# Altium PCB JTAG批量下载板-V1.6-ASCII.PcbDoc (part 5 of 14) (continued)
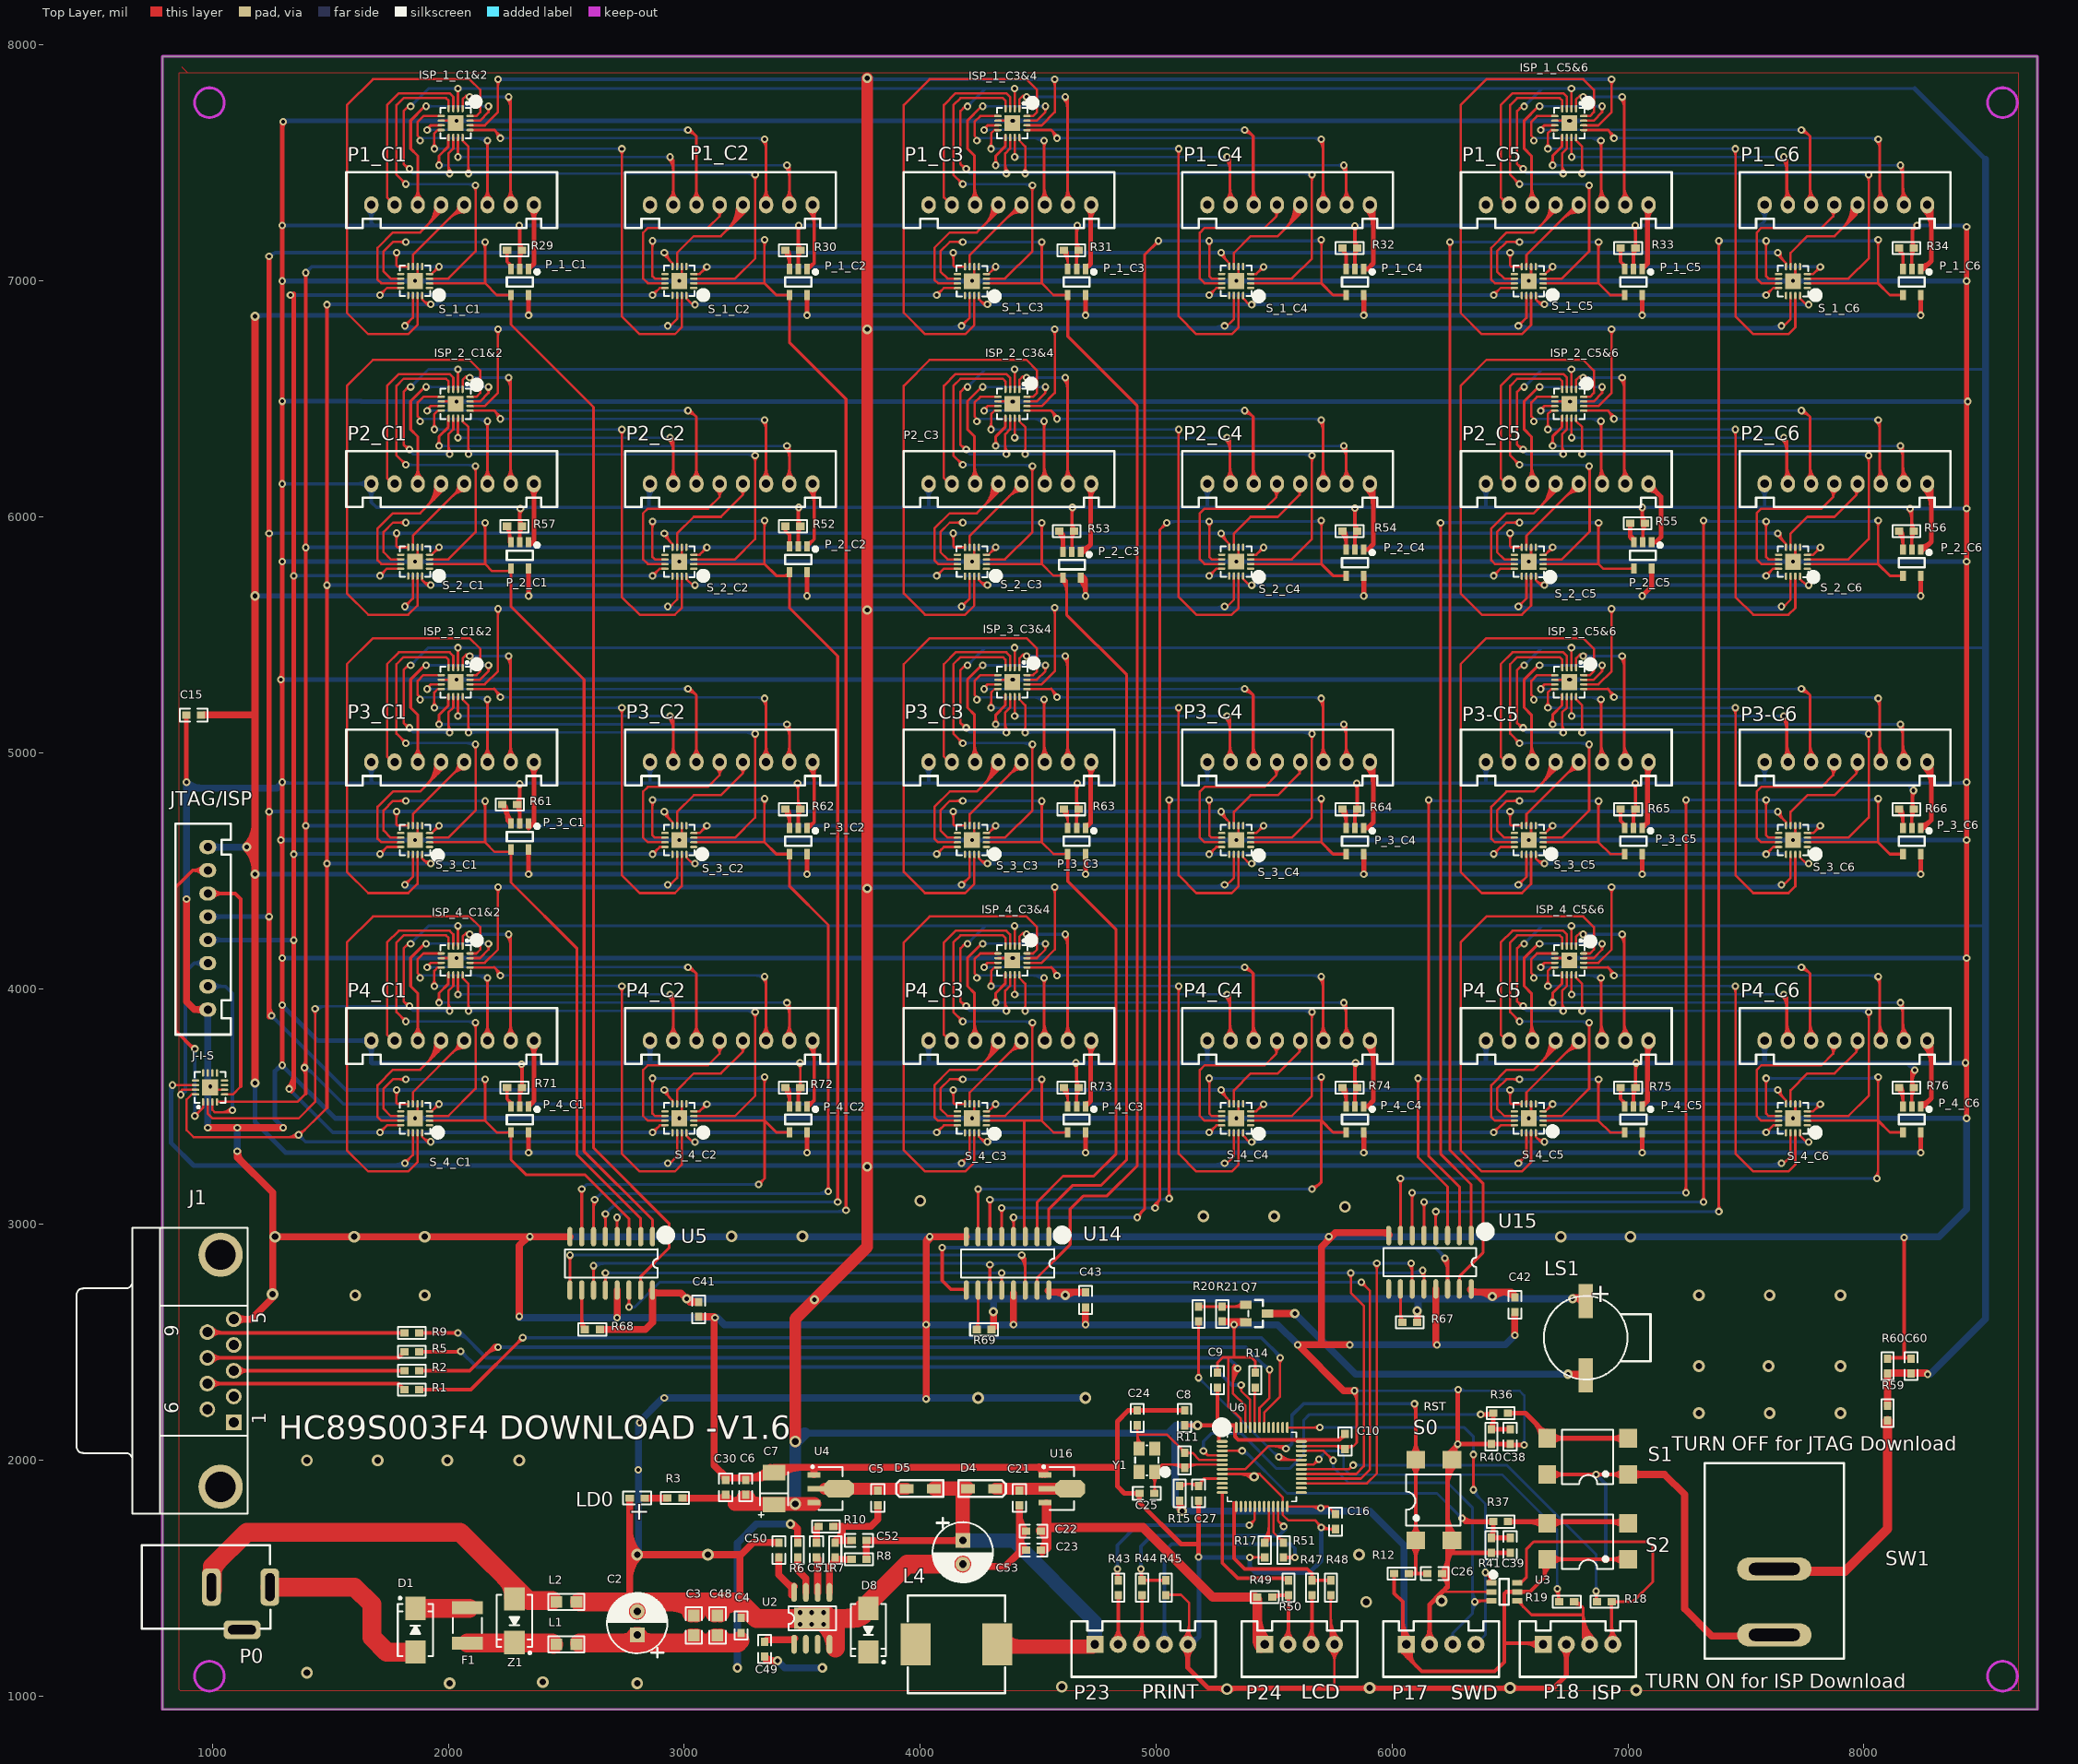
[diagram p0: Top Layer view]
## Nets (pads, with @x,y where several pads share a name; then routed paths per layer and width w, separated by ;. In a path a pad name is that pad's centre, name@x,y a point inside that pad or via, vN(x,y) a via of type N, cw(c..) or ccw(c..) an arc to the next point about the centre after c; other vN are vias at no path point) (continued)
  Top Layer w12: C9.2@5260,2371.5 5260,2415 5281.5,2436.5 5403.5,2436.5 5420,2420 R14.1@5420,2371.5 ; 5330,2436.5 v1@5330,2588.5 ; Q7.2@5376.69,2588.5 Q7.2@5380,2585.2 ; C9.2@5253.11,2380.36 ccw(c5236.47,2397) 5260,2397 ; C9.2@5253.11,2380.36 ccw(c5236.47,2397) 5260,2397 ; C9.2@5253.11,2380.36 ccw(c5236.47,2397) 5260,2397 ; C9.2@5253.11,2380.36 ccw(c5236.47,2397) 5260,2397 ; C9.2@5253.11,2380.36 ccw(c5236.47,2397) 5260,2397 ; 5260,2397 ccw(c5283.53,2397) C9.2@5266.89,2380.36 ; 5260,2397 ccw(c5283.53,2397) C9.2@5266.89,2380.36 ; 5260,2397 ccw(c5283.53,2397) C9.2@5266.89,2380.36 ; 5260,2397 ccw(c5283.53,2397) C9.2@5266.89,2380.36 ; 5260,2397 ccw(c5283.53,2397) C9.2@5266.89,2380.36 ; v1@5322.93,2567.93 cw(c5305.86,2550.86) 5330,2550.86 ; v1@5322.93,2567.93 cw(c5305.86,2550.86) 5330,2550.86 ; v1@5322.93,2567.93 cw(c5305.86,2550.86) 5330,2550.86 ; v1@5322.93,2567.93 cw(c5305.86,2550.86) 5330,2550.86 ; v1@5322.93,2567.93 cw(c5305.86,2550.86) 5330,2550.86 ; 5330,2550.86 cw(c5354.14,2550.86) v1@5337.07,2567.93 ; 5330,2550.86 cw(c5354.14,2550.86) v1@5337.07,2567.93 ; 5330,2550.86 cw(c5354.14,2550.86) v1@5337.07,2567.93 ; 5330,2550.86 cw(c5354.14,2550.86) v1@5337.07,2567.93 ; 5330,2550.86 cw(c5354.14,2550.86) v1@5337.07,2567.93 ; R14.1@5413.11,2380.36 ccw(c5396.47,2397) 5420,2397 ; R14.1@5413.11,2380.36 ccw(c5396.47,2397) 5420,2397 ; R14.1@5413.11,2380.36 ccw(c5396.47,2397) 5420,2397 ; R14.1@5413.11,2380.36 ccw(c5396.47,2397) 5420,2397 ; R14.1@5413.11,2380.36 ccw(c5396.47,2397) 5420,2397 ; 5420,2397 ccw(c5443.53,2397) R14.1@5426.89,2380.36 ; 5420,2397 ccw(c5443.53,2397) R14.1@5426.89,2380.36 ; 5420,2397 ccw(c5443.53,2397) R14.1@5426.89,2380.36 ; 5420,2397 ccw(c5443.53,2397) R14.1@5426.89,2380.36 ; 5420,2397 ccw(c5443.53,2397) R14.1@5426.89,2380.36
  Top Layer w15: R61.2@2291.5,4780 R61.2@2302.6,4768.9 ; P_4_C1.2@2302.6,3500.55 2302.6,3571.65 R71.2@2311.5,3580.55 ; P_3_C1.2@2302.6,4685 v1(2302.6,4867.6) ; P_2_C1.2@2302.6,5891.97 v1@2302.6,6027.4 ; R57.2@2302.6,5951.1 R57.2@2311.5,5960 ; P_1_C1.2@2302.6,7050.55 v1@2302.6,7232.4 ; R29.2@2302.6,7121.65 R29.2@2311.5,7130.55 ; R71.2@2311.5,3580 v1@2311.5,3678.5 ; P_4_C2.2@3482.6,3500.55 R72.2@3482.6,3571.65 ; P_3_C2.2@3482.6,4680.55 R62.2@3482.6,4751.65 ; P_2_C2.2@3482.6,5870 v1@3482.6,6037.6 ; P_1_C2.2@3482.6,7050.55 v1@3482.6,7232.6 ; P_2_C3.2@4642.6,5851.97 v1@4642.6,6037.6 ; P_4_C3.2@4662.6,3500.55 v1@4662.6,3682.4 ; P_3_C3.2@4662.6,4680.55 v1@4662.6,4867.6 ; P_1_C3.2@4662.6,7050.55 v1@4662.6,7232.6 ; R31.2@4662.6,7121.65 R31.2@4671.5,7130.55 ; P_4_C4.2@5842.6,3500.55 v1@5842.6,3682.6 ; P_3_C4.2@5842.6,4680.55 R64.2@5842.6,4761.1 ; P_2_C4.2@5842.6,5860.55 v1(5842.6,6037.6) ; P_1_C4.2@5842.6,7050.55 v1(5842.6,7232.4) ; R64.2@5851.5,4760 v1@5851.5,4868.5 ; P_4_C5.2@7022.6,3500.55 7022.6,3571.65 R75.2@7031.5,3580.55 ; P_3_C5.2@7022.6,4680.55 7022.6,4751.65 7031.5,4760.55 v1@7031.5,4868.5 ; P_1_C5.2@7022.6,7050.55 7022.6,7121.65 R33.2@7031.5,7130.55 ; R75.2@7031.5,3580 v1@7031.5,3681.5 ; R33.2@7031.5,7140 v1@7031.5,7233.5 ; R55.2@7060,5965 v1(7060,6040) ; P_2_C5.2@7062.6,5891.97 7062.6,5963.07 R55.2@7071.5,5971.97 ; R60.2@8100,2435 C60.2@8196.5,2435 ; 8170,2435 v1(8170,2945) ; v1(8195,6035) 8202.6,6027.4 P_2_C6.2@8202.6,5860.55 ; P_4_C6.2@8202.6,3500.55 8202.6,3642.6 v1(8215,3655) ; P_3_C6.2@8202.6,4680.55 R66.2@8202.6,4761.1 ; P_1_C6.2@8202.6,7050.55 R34.2@8202.6,7131.1 ; R66.2@8205,4760 8205,4835 v1(8210,4840) ; R34.2@8205,7140 8205,7215 v1(8225,7235) ; 2302.6,4847.08 cw(c2323.12,4847.08) 2308.61,4861.59 ccw(c2323.12,4847.08) 2302.6,4847.08 ; 2302.6,4847.08 ccw(c2282.08,4847.08) 2296.59,4861.59 cw(c2282.08,4847.08) 2302.6,4847.08 ; 2311.5,3599.91 cw(c2291.58,3599.91) 2305.66,3585.83 ccw(c2291.58,3599.91) 2311.5,3599.91 ; 2311.5,3599.91 ccw(c2331.41,3599.91) 2317.33,3585.83 cw(c2331.41,3599.91) 2311.5,3599.91 ; 5842.6,6017.08 cw(c5863.12,6017.08) 5848.61,6031.59 ccw(c5863.12,6017.08) 5842.6,6017.08 ; 5842.6,6017.08 ccw(c5822.08,6017.08) 5836.59,6031.59 cw(c5822.08,6017.08) 5842.6,6017.08 ; 5842.6,7211.88 cw(c5863.12,7211.88) 5848.61,7226.39 ccw(c5863.12,7211.88) 5842.6,7211.88 ; 5842.6,7211.88 ccw(c5822.08,7211.88) 5836.59,7226.39 cw(c5822.08,7211.88) 5842.6,7211.88 ; 5851.5,4779.91 cw(c5831.58,4779.91) 5845.66,4765.83 ccw(c5831.58,4779.91) 5851.5,4779.91 ; 5851.5,4779.91 ccw(c5871.41,4779.91) 5857.33,4765.83 cw(c5871.41,4779.91) 5851.5,4779.91 ; 7031.5,3599.91 cw(c7011.58,3599.91) 7025.66,3585.83 ccw(c7011.58,3599.91) 7031.5,3599.91 ; 7031.5,3599.91 ccw(c7051.41,3599.91) 7037.33,3585.83 cw(c7051.41,3599.91) 7031.5,3599.91 ; 7031.5,4779.91 cw(c7011.58,4779.91) 7025.66,4765.83 ccw(c7011.58,4779.91) 7031.5,4779.91 ; 7031.5,4779.91 ccw(c7051.41,4779.91) 7037.33,4765.83 cw(c7051.41,4779.91) 7031.5,4779.91 ; 7031.5,7159.91 cw(c7011.58,7159.91) 7025.66,7145.83 ccw(c7011.58,7159.91) 7031.5,7159.91 ; 7031.5,7159.91 ccw(c7051.41,7159.91) 7037.33,7145.83 cw(c7051.41,7159.91) 7031.5,7159.91 ; 7060,6019.48 cw(c7080.52,6019.48) 7066.01,6033.99 ccw(c7080.52,6019.48) 7060,6019.48 ; 7060,6019.48 ccw(c7039.48,6019.48) 7053.99,6033.99 cw(c7039.48,6019.48) 7060,6019.48 ; 8170,2924.48 cw(c8190.52,2924.48) 8176.01,2938.99 ccw(c8190.52,2924.48) 8170,2924.48 ; 8170,2924.48 ccw(c8149.48,2924.48) 8163.99,2938.99 cw(c8149.48,2924.48) 8170,2924.48 ; 8210.49,7220.49 cw(c8225,7205.98) 8225,7226.5 ccw(c8225,7205.98) 8210.49,7220.49 ; 8210.49,7220.49 ccw(c8195.98,7235) 8216.5,7235 cw(c8195.98,7235) 8210.49,7220.49 ; R61.2@2287.63,4774.17 cw(c2251.5,4738.04) 2302.6,4738.04 ccw(c2251.5,4738.04) R61.2@2287.63,4774.17 ; R61.2@2287.63,4785.83 ccw(c2251.5,4821.96) 2302.6,4821.96 cw(c2251.5,4821.96) R61.2@2287.63,4785.83 ; v1@2293.99,7228.99 cw(c2273.21,7208.21) 2302.6,7208.21 ccw(c2273.21,7208.21) v1@2293.99,7228.99 ; 2302.6,3543.36 cw(c2346.17,3543.36) 2315.36,3574.17 ccw(c2346.17,3543.36) 2302.6,3543.36 ; 2302.6,5923.36 cw(c2346.17,5923.36) 2315.36,5954.17 ccw(c2346.17,5923.36) 2302.6,5923.36 ; 2302.6,5996.64 ccw(c2346.17,5996.64) 2315.36,5965.83 cw(c2346.17,5996.64) 2302.6,5996.64 ; 2302.6,6008.68 cw(c2331.32,6008.68) 2311.01,6028.99 ccw(c2331.32,6008.68) 2302.6,6008.68 ; 2302.6,7093.91 cw(c2346.17,7093.91) 2315.36,7124.72 ccw(c2346.17,7093.91) 2302.6,7093.91 ; 2302.6,7167.19 ccw(c2346.17,7167.19) 2315.36,7136.38 cw(c2346.17,7167.19) 2302.6,7167.19 ; v1@2303.99,3673.99 cw(c2285.87,3655.87) 2311.5,3655.87 ccw(c2285.87,3655.87) v1@2303.99,3673.99 ; 2311.5,3663.09 cw(c2326.91,3663.09) 2316.01,3673.99 ccw(c2326.91,3663.09) 2311.5,3663.09 ; 3482.6,3543.36 cw(c3526.17,3543.36) 3495.36,3574.17 ccw(c3526.17,3543.36) 3482.6,3543.36 ; 3482.6,4723.36 cw(c3526.17,4723.36) 3495.36,4754.17 ccw(c3526.17,4723.36) 3482.6,4723.36 ; 3482.6,5923.36 cw(c3526.17,5923.36) 3495.36,5954.17 ccw(c3526.17,5923.36) 3482.6,5923.36 ; 3482.6,5996.64 ccw(c3526.17,5996.64) 3495.36,5965.83 cw(c3526.17,5996.64) 3482.6,5996.64 ; 3482.6,6013.68 cw(c3511.32,6013.68) 3491.01,6033.99 ccw(c3511.32,6013.68) 3482.6,6013.68 ; 3482.6,7093.91 cw(c3526.17,7093.91) 3495.36,7124.72 ccw(c3526.17,7093.91) 3482.6,7093.91 ; 3482.6,7167.19 ccw(c3526.17,7167.19) 3495.36,7136.38 cw(c3526.17,7167.19) 3482.6,7167.19 ; 3482.6,7208.68 cw(c3511.32,7208.68) 3491.01,7228.99 ccw(c3511.32,7208.68) 3482.6,7208.68 ; 4642.6,5903.36 cw(c4686.17,5903.36) 4655.36,5934.17 ccw(c4686.17,5903.36) 4642.6,5903.36 ; 4642.6,5976.64 ccw(c4686.17,5976.64) 4655.36,5945.83 cw(c4686.17,5976.64) 4642.6,5976.64 ; 4642.6,6013.68 cw(c4671.32,6013.68) 4651.01,6033.99 ccw(c4671.32,6013.68) 4642.6,6013.68 ; v1@4653.99,3678.99 cw(c4633.21,3658.21) 4662.6,3658.21 ccw(c4633.21,3658.21) v1@4653.99,3678.99 ; 4662.6,3543.36 cw(c4706.17,3543.36) 4675.36,3574.17 ccw(c4706.17,3543.36) 4662.6,3543.36 ; 4662.6,3616.64 ccw(c4706.17,3616.64) 4675.36,3585.83 cw(c4706.17,3616.64) 4662.6,3616.64 ; 4662.6,4723.36 cw(c4706.17,4723.36) 4675.36,4754.17 ccw(c4706.17,4723.36) 4662.6,4723.36 ; 4662.6,4796.64 ccw(c4706.17,4796.64) 4675.36,4765.83 cw(c4706.17,4796.64) 4662.6,4796.64 ; 4662.6,4843.68 cw(c4691.32,4843.68) 4671.01,4863.99 ccw(c4691.32,4843.68) 4662.6,4843.68 ; 4662.6,7093.91 cw(c4706.17,7093.91) 4675.36,7124.72 ccw(c4706.17,7093.91) 4662.6,7093.91 ; 4662.6,7167.19 ccw(c4706.17,7167.19) 4675.36,7136.38 cw(c4706.17,7167.19) 4662.6,7167.19 ; 4662.6,7208.68 cw(c4691.32,7208.68) 4671.01,7228.99 ccw(c4691.32,7208.68) 4662.6,7208.68 ; 5842.6,3543.36 cw(c5886.17,3543.36) 5855.36,3574.17 ccw(c5886.17,3543.36) 5842.6,3543.36 ; 5842.6,3616.64 ccw(c5886.17,3616.64) 5855.36,3585.83 cw(c5886.17,3616.64) 5842.6,3616.64 ; 5842.6,3658.68 cw(c5871.32,3658.68) 5851.01,3678.99 ccw(c5871.32,3658.68) 5842.6,3658.68 ; 5842.6,4723.36 cw(c5886.17,4723.36) 5855.36,4754.17 ccw(c5886.17,4723.36) 5842.6,4723.36 ; 5842.6,5903.36 cw(c5886.17,5903.36) 5855.36,5934.17 ccw(c5886.17,5903.36) 5842.6,5903.36 ; 5842.6,5976.64 ccw(c5886.17,5976.64) 5855.36,5945.83 cw(c5886.17,5976.64) 5842.6,5976.64 ; 5842.6,7103.36 cw(c5886.17,7103.36) 5855.36,7134.17 ccw(c5886.17,7103.36) 5842.6,7103.36 ; 5842.6,7176.64 ccw(c5886.17,7176.64) 5855.36,7145.83 cw(c5886.17,7176.64) 5842.6,7176.64 ; v1@5843.99,4863.99 cw(c5825.87,4845.87) 5851.5,4845.87 ccw(c5825.87,4845.87) v1@5843.99,4863.99 ; 5851.5,4853.09 cw(c5866.91,4853.09) 5856.01,4863.99 ccw(c5866.91,4853.09) 5851.5,4853.09 ; 7022.6,3543.36 cw(c7066.17,3543.36) 7035.36,3574.17 ccw(c7066.17,3543.36) 7022.6,3543.36 ; 7022.6,4723.36 cw(c7066.17,4723.36) 7035.36,4754.17 ccw(c7066.17,4723.36) 7022.6,4723.36 ; 7022.6,7103.36 cw(c7066.17,7103.36) 7035.36,7134.17 ccw(c7066.17,7103.36) 7022.6,7103.36 ; 7022.6,7120.39 cw(c7034.61,7120.39) 7031.6,7132.02 ccw(c7034.61,7120.39) 7022.6,7120.39 ; v1@7023.99,4863.99 cw(c7005.87,4845.87) 7031.5,4845.87 ccw(c7005.87,4845.87) v1@7023.99,4863.99 ; v1@7023.99,7228.99 cw(c7005.87,7210.87) 7031.5,7210.87 ccw(c7005.87,7210.87) v1@7023.99,7228.99 ; 7031.5,3656.02 cw(c7063.98,3656.02) 7041.01,3678.99 ccw(c7063.98,3656.02) 7031.5,3656.02 ; 7031.5,4853.09 cw(c7046.91,4853.09) 7036.01,4863.99 ccw(c7046.91,4853.09) 7031.5,4853.09 ; 7031.5,7218.09 cw(c7046.91,7218.09) 7036.01,7228.99 ccw(c7046.91,7218.09) 7031.5,7218.09 ; 7060,6014.88 ccw(c7112.44,6014.88) 7075.36,5977.8 cw(c7112.44,6014.88) 7060,6014.88 ; 7062.6,5935.33 cw(c7106.17,5935.33) 7075.36,5966.14 ccw(c7106.17,5935.33) 7062.6,5935.33 ; R60.2@8105.83,2427.63 cw(c8123.62,2409.85) 8123.62,2435 ccw(c8123.62,2409.85) R60.2@8105.83,2427.63 ; R60.2@8105.83,2439.3 ccw(c8116.21,2449.67) 8116.21,2435 cw(c8116.21,2449.67) R60.2@8105.83,2439.3 ; 8176.38,2435 cw(c8176.38,2409.85) 8194.17,2427.63 ccw(c8176.38,2409.85) 8176.38,2435 ; 8183.79,2435 ccw(c8183.79,2449.67) 8194.17,2439.3 cw(c8183.79,2449.67) 8183.79,2435 ; v1@8188.99,6028.99 cw(c8156.14,5996.14) 8202.6,5996.14 ccw(c8156.14,5996.14) v1@8188.99,6028.99 ; 8202.6,3543.36 cw(c8246.17,3543.36) 8215.36,3574.17 ccw(c8246.17,3543.36) 8202.6,3543.36 ; 8202.6,3604.54 cw(c8265.46,3604.54) 8221.01,3648.99 ccw(c8265.46,3604.54) 8202.6,3604.54 ; 8202.6,3616.64 ccw(c8246.17,3616.64) 8215.36,3585.83 cw(c8246.17,3616.64) 8202.6,3616.64 ; 8202.6,3640.75 cw(c8229.25,3640.75) 8210.4,3659.6 ccw(c8229.25,3640.75) 8202.6,3640.75 ; 8202.6,4723.36 cw(c8246.17,4723.36) 8215.36,4754.17 ccw(c8246.17,4723.36) 8202.6,4723.36 ; 8202.6,5903.36 cw(c8246.17,5903.36) 8215.36,5934.17 ccw(c8246.17,5903.36) 8202.6,5903.36 ; 8202.6,5976.64 ccw(c8246.17,5976.64) 8215.36,5945.83 cw(c8246.17,5976.64) 8202.6,5976.64 ; 8202.6,7103.36 cw(c8246.17,7103.36) 8215.36,7134.17 ccw(c8246.17,7103.36) 8202.6,7103.36 ; 8205,4790.84 ccw(c8240.37,4790.84) 8215.36,4765.83 cw(c8240.37,4790.84) 8205,4790.84 ; 8205,4807.41 cw(c8242.59,4807.41) 8216.01,4833.99 ccw(c8242.59,4807.41) 8205,4807.41 ; 8205,7170.84 ccw(c8240.37,7170.84) 8215.36,7145.83 cw(c8240.37,7170.84) 8205,7170.84
  Top Layer w20: v1@888.5,4876.5 C15.2@888.5,5160 ; v1(1295,3675) v1@1295,7675 ; C8.2@5120,2211.5 4881.5,2211.5 4835,2165 4835,1890 4865,1860 C25.2@4928.5,1860 4928.5,1821.5 5105,1645 5180,1645 ; P23.5@5133.7,1220 5133.7,1121.3 5220,1035 6685,1035 6738.43,1088.43 P18.2@6738.43,1220 ; v1(5180,1590) C27.2@5180,1830 ; P17.2@6158.43,1220 6158.43,1388.43 6209.97,1439.97 ; C26.2@6211.5,1520 6235,1520 ; 6212.6,1442.6 6235,1465 S0.3@6235,2002.52 ; 6235,1608.5 C39.1@6500,1608.5 ; S0.3@6235,2025 v1(6278.5,2068.5) ; v1@6278.5,2296.5 v1(6278.5,2068.5) ; 6475,2065 v1(6560,2065) ; C38.1@6500,2068.5 v1(6278.5,2068.5) ; v1(8435,3450.08) v1(8435,7230) ; P23.5@5115.32,1201.62 cw(c5070.93,1157.23) 5133.7,1157.23 ; P23.5@5115.32,1201.62 cw(c5070.93,1157.23) 5133.7,1157.23 ; P23.5@5115.32,1201.62 cw(c5070.93,1157.23) 5133.7,1157.23 ; P23.5@5115.32,1201.62 cw(c5070.93,1157.23) 5133.7,1157.23 ; P23.5@5115.32,1201.62 cw(c5070.93,1157.23) 5133.7,1157.23 ; 5133.7,1157.23 cw(c5196.47,1157.23) P23.5@5152.08,1201.62 ; 5133.7,1157.23 cw(c5196.47,1157.23) P23.5@5152.08,1201.62 ; 5133.7,1157.23 cw(c5196.47,1157.23) P23.5@5152.08,1201.62 ; 5133.7,1157.23 cw(c5196.47,1157.23) P23.5@5152.08,1201.62 ; 5133.7,1157.23 cw(c5196.47,1157.23) P23.5@5152.08,1201.62 ; 5251.72,1035 cw(c5251.72,981.72) v2@5289.39,1019.39 ; 5251.72,1035 cw(c5251.72,981.72) v2@5289.39,1019.39 ; 5251.72,1035 cw(c5251.72,981.72) v2@5289.39,1019.39 ; v2@5310.61,1019.39 cw(c5348.28,981.72) 5348.28,1035 ; v2@5310.61,1019.39 cw(c5348.28,981.72) 5348.28,1035 ; v2@5310.61,1019.39 cw(c5348.28,981.72) 5348.28,1035 ; 5868.79,1035 cw(c5868.79,998.79) v2@5894.39,1024.39 ; 5868.79,1035 ccw(c5868.79,1071.21) v2@5894.39,1045.61 ; 5868.79,1035 cw(c5868.79,998.79) v2@5894.39,1024.39 ; 5868.79,1035 ccw(c5868.79,1071.21) v2@5894.39,1045.61 ; 5868.79,1035 cw(c5868.79,998.79) v2@5894.39,1024.39 ; 5868.79,1035 ccw(c5868.79,1071.21) v2@5894.39,1045.61 ; v2@5915.61,1024.39 cw(c5941.21,998.79) 5941.21,1035 ; v2@5915.61,1024.39 cw(c5941.21,998.79) 5941.21,1035 ; v2@5915.61,1024.39 cw(c5941.21,998.79) 5941.21,1035 ; v2@5915.61,1045.61 ccw(c5941.21,1071.21) 5941.21,1035 ; v2@5915.61,1045.61 ccw(c5941.21,1071.21) 5941.21,1035 ; v2@5915.61,1045.61 ccw(c5941.21,1071.21) 5941.21,1035 ; P17.2@6140.04,1238.38 ccw(c6095.66,1282.77) 6158.43,1282.77 ; P17.2@6140.04,1238.38 ccw(c6095.66,1282.77) 6158.43,1282.77 ; P17.2@6140.04,1238.38 ccw(c6095.66,1282.77) 6158.43,1282.77 ; P17.2@6140.04,1238.38 ccw(c6095.66,1282.77) 6158.43,1282.77 ; P17.2@6140.04,1238.38 ccw(c6095.66,1282.77) 6158.43,1282.77 ; 6158.43,1282.77 ccw(c6221.19,1282.77) P17.2@6176.81,1238.38 ; 6158.43,1282.77 ccw(c6221.19,1282.77) P17.2@6176.81,1238.38 ; 6158.43,1282.77 ccw(c6221.19,1282.77) P17.2@6176.81,1238.38 ; 6158.43,1282.77 ccw(c6221.19,1282.77) P17.2@6176.81,1238.38 ; 6158.43,1282.77 ccw(c6221.19,1282.77) P17.2@6176.81,1238.38 ; 6166.88,1396.88 cw(c6200.9,1362.85) v2@6211.05,1409.89 ; 6166.88,1396.88 cw(c6200.9,1362.85) v2@6211.05,1409.89 ; 6166.88,1396.88 cw(c6200.9,1362.85) v2@6211.05,1409.89 ; C26.2@6209.4,1524.06 ccw(c6147.6,1585.87) 6235,1585.87 ; C26.2@6209.4,1524.06 ccw(c6147.6,1585.87) 6235,1585.87 ; C26.2@6209.4,1524.06 ccw(c6147.6,1585.87) 6235,1585.87 ; C26.2@6209.4,1524.06 ccw(c6147.6,1585.87) 6235,1585.87 ; C26.2@6209.4,1524.06 ccw(c6147.6,1585.87) 6235,1585.87 ; C26.2@6209.74,1515.62 cw(c6163.18,1460.94) 6235,1460.94 ; C26.2@6209.74,1515.62 cw(c6163.18,1460.94) 6235,1460.94 ; C26.2@6209.74,1515.62 cw(c6163.18,1460.94) 6235,1460.94 ; C26.2@6209.74,1515.62 cw(c6163.18,1460.94) 6235,1460.94 ; C26.2@6209.74,1515.62 cw(c6163.18,1460.94) 6235,1460.94 ; C26.2@6222.7,1530.85 cw(c6200.04,1504.23) 6235,1504.23 ; C26.2@6222.7,1530.85 cw(c6200.04,1504.23) 6235,1504.23 ; C26.2@6222.7,1530.85 cw(c6200.04,1504.23) 6235,1504.23 ; C26.2@6222.7,1530.85 cw(c6200.04,1504.23) 6235,1504.23 ; C26.2@6222.7,1530.85 cw(c6200.04,1504.23) 6235,1504.23 ; C26.2@6223.54,1509.92 ccw(c6195.88,1537.58) 6235,1537.58 ; C26.2@6223.54,1509.92 ccw(c6195.88,1537.58) 6235,1537.58 ; C26.2@6223.54,1509.92 ccw(c6195.88,1537.58) 6235,1537.58 ; C26.2@6223.54,1509.92 ccw(c6195.88,1537.58) 6235,1537.58 ; C26.2@6223.54,1509.92 ccw(c6195.88,1537.58) 6235,1537.58 ; 6235,1553.83 cw(c6357.74,1553.83) S0.4@6270.95,1640.62 ; 6235,1553.83 cw(c6357.74,1553.83) S0.4@6270.95,1640.62 ; 6235,1553.83 cw(c6357.74,1553.83) S0.4@6270.95,1640.62 ; 6235,1553.83 cw(c6357.74,1553.83) S0.4@6270.95,1640.62 ; 6235,1553.83 cw(c6357.74,1553.83) S0.4@6270.95,1640.62 ; 6235,1602.12 cw(c6309.46,1602.12) S0.4@6256.81,1654.77 ; 6235,1602.12 cw(c6309.46,1602.12) S0.4@6256.81,1654.77 ; 6235,1602.12 cw(c6309.46,1602.12) S0.4@6256.81,1654.77 ; 6235,1602.12 cw(c6309.46,1602.12) S0.4@6256.81,1654.77 ; 6235,1602.12 cw(c6309.46,1602.12) S0.4@6256.81,1654.77 ; 6235,1717.88 ccw(c6309.46,1717.88) S0.4@6256.81,1665.23 ; 6235,1717.88 ccw(c6309.46,1717.88) S0.4@6256.81,1665.23 ; 6235,1717.88 ccw(c6309.46,1717.88) S0.4@6256.81,1665.23 ; 6235,1717.88 ccw(c6309.46,1717.88) S0.4@6256.81,1665.23 ; 6235,1717.88 ccw(c6309.46,1717.88) S0.4@6256.81,1665.23 ; 6235,1766.17 ccw(c6357.74,1766.17) S0.4@6270.95,1679.38 ; 6235,1766.17 ccw(c6357.74,1766.17) S0.4@6270.95,1679.38 ; 6235,1766.17 ccw(c6357.74,1766.17) S0.4@6270.95,1679.38 ; 6235,1766.17 ccw(c6357.74,1766.17) S0.4@6270.95,1679.38 ; 6235,1766.17 ccw(c6357.74,1766.17) S0.4@6270.95,1679.38 ; 6235,1896.35 cw(c6357.74,1896.35) S0.3@6270.95,1983.14 ; 6235,1896.35 cw(c6357.74,1896.35) S0.3@6270.95,1983.14 ; 6235,1896.35 cw(c6357.74,1896.35) S0.3@6270.95,1983.14 ; 6235,1896.35 cw(c6357.74,1896.35) S0.3@6270.95,1983.14 ; 6235,1896.35 cw(c6357.74,1896.35) S0.3@6270.95,1983.14 ; 6235,1944.64 cw(c6309.46,1944.64) S0.3@6256.81,1997.29 ; 6235,1944.64 cw(c6309.46,1944.64) S0.3@6256.81,1997.29 ; 6235,1944.64 cw(c6309.46,1944.64) S0.3@6256.81,1997.29 ; 6235,1944.64 cw(c6309.46,1944.64) S0.3@6256.81,1997.29 ; 6235,1944.64 cw(c6309.46,1944.64) S0.3@6256.81,1997.29 ; S0.3@6261.17,2007.29 cw(c6287.07,2029.14) 6263.11,2053.11 ; S0.3@6261.17,2007.29 cw(c6287.07,2029.14) 6263.11,2053.11 ; S0.3@6261.17,2007.29 cw(c6287.07,2029.14) 6263.11,2053.11 ; S0.3@6261.17,2007.29 cw(c6287.07,2029.14) 6263.11,2053.11 ; S0.3@6261.17,2007.29 cw(c6287.07,2029.14) 6263.11,2053.11 ; S0.3@6276.46,2020.19 cw(c6303.77,2043.23) v1(6278.5,2068.5) ; S0.3@6276.46,2020.19 cw(c6303.77,2043.23) v1(6278.5,2068.5) ; S0.3@6276.46,2020.19 cw(c6303.77,2043.23) v1(6278.5,2068.5) ; S0.3@6276.46,2020.19 cw(c6303.77,2043.23) v1(6278.5,2068.5) ; S0.3@6276.46,2020.19 cw(c6303.77,2043.23) v1(6278.5,2068.5) ; 6278.5,2281.9 cw(c6298.1,2281.9) v1@6284.24,2295.76 ; 6278.5,2281.9 cw(c6298.1,2281.9) v1@6284.24,2295.76 ; 6278.5,2281.9 cw(c6298.1,2281.9) v1@6284.24,2295.76 ; 6278.5,2281.9 cw(c6298.1,2281.9) v1@6284.24,2295.76 ; 6278.5,2281.9 cw(c6298.1,2281.9) v1@6284.24,2295.76 ; 6463.79,1035 cw(c6463.79,998.79) v2@6489.39,1024.39 ; 6463.79,1035 ccw(c6463.79,1071.21) v2@6489.39,1045.61 ; 6463.79,1035 cw(c6463.79,998.79) v2@6489.39,1024.39 ; 6463.79,1035 ccw(c6463.79,1071.21) v2@6489.39,1045.61 ; 6463.79,1035 cw(c6463.79,998.79) v2@6489.39,1024.39 ; 6463.79,1035 ccw(c6463.79,1071.21) v2@6489.39,1045.61 ; 6482.42,2065 ccw(c6482.42,2084.12) C38.1@6495.94,2070.6 ; 6482.42,2065 ccw(c6482.42,2084.12) C38.1@6495.94,2070.6 ; 6482.42,2065 ccw(c6482.42,2084.12) C38.1@6495.94,2070.6 ; 6482.42,2065 ccw(c6482.42,2084.12) C38.1@6495.94,2070.6 ; 6482.42,2065 ccw(c6482.42,2084.12) C38.1@6495.94,2070.6 ; C38.1@6504.06,2070.6 ccw(c6517.58,2084.12) 6517.58,2065 ; C38.1@6504.06,2070.6 ccw(c6517.58,2084.12) 6517.58,2065 ; C38.1@6504.06,2070.6 ccw(c6517.58,2084.12) 6517.58,2065 ; C38.1@6504.06,2070.6 ccw(c6517.58,2084.12) 6517.58,2065 ; C38.1@6504.06,2070.6 ccw(c6517.58,2084.12) 6517.58,2065 ; v2@6510.61,1024.39 cw(c6536.21,998.79) 6536.21,1035 ; v2@6510.61,1024.39 cw(c6536.21,998.79) 6536.21,1035 ; v2@6510.61,1024.39 cw(c6536.21,998.79) 6536.21,1035 ; v2@6510.61,1045.61 ccw(c6536.21,1071.21) 6536.21,1035 ; v2@6510.61,1045.61 ccw(c6536.21,1071.21) 6536.21,1035 ; v2@6510.61,1045.61 ccw(c6536.21,1071.21) 6536.21,1035 ; P18.2@6720.04,1201.62 cw(c6675.66,1157.23) 6738.43,1157.23 ; P18.2@6720.04,1201.62 cw(c6675.66,1157.23) 6738.43,1157.23 ; P18.2@6720.04,1201.62 cw(c6675.66,1157.23) 6738.43,1157.23 ; P18.2@6720.04,1201.62 cw(c6675.66,1157.23) 6738.43,1157.23 ; P18.2@6720.04,1201.62 cw(c6675.66,1157.23) 6738.43,1157.23 ; 6738.43,1157.23 cw(c6801.19,1157.23) P18.2@6756.81,1201.62 ; 6738.43,1157.23 cw(c6801.19,1157.23) P18.2@6756.81,1201.62 ; 6738.43,1157.23 cw(c6801.19,1157.23) P18.2@6756.81,1201.62 ; 6738.43,1157.23 cw(c6801.19,1157.23) P18.2@6756.81,1201.62 ; 6738.43,1157.23 cw(c6801.19,1157.23) P18.2@6756.81,1201.62 ; 888.5,4893.1 ccw(c908.1,4893.1) 894.24,4879.24 cw(c908.1,4893.1) 888.5,4893.1 ; v1@1285.76,4625.76 cw(c1263.44,4603.44) 1295,4603.44 ccw(c1263.44,4603.44) v1@1285.76,4625.76 ; v1@1285.76,4634.24 ccw(c1263.44,4656.56) 1295,4656.56 cw(c1263.44,4656.56) v1@1285.76,4634.24 ; v1@1285.76,5305.76 cw(c1263.44,5283.44) 1295,5283.44 ccw(c1263.44,5283.44) v1@1285.76,5305.76 ; v1@1285.76,5314.24 ccw(c1263.44,5336.56) 1295,5336.56 cw(c1263.44,5336.56) v1@1285.76,5314.24 ; 1295,7648.44 cw(c1326.56,7648.44) 1304.24,7670.76 ccw(c1326.56,7648.44) 1295,7648.44 ; v1@8425.76,3680.76 cw(c8403.44,3658.44) 8435,3658.44 ccw(c8403.44,3658.44) v1@8425.76,3680.76 ; v1@8425.76,3689.24 ccw(c8403.44,3711.56) 8435,3711.56 cw(c8403.44,3711.56) v1@8425.76,3689.24 ; 8435,6464.33 cw(c8464.41,6464.33) 8443.61,6485.13 ccw(c8464.41,6464.33) 8435,6464.33 ; 8435,6514.41 ccw(c8464.41,6514.41) 8443.61,6493.61 cw(c8464.41,6514.41) 8435,6514.41